# KiCad board Ethernet controller W5500 board_panel.kicad_pcb (continued)
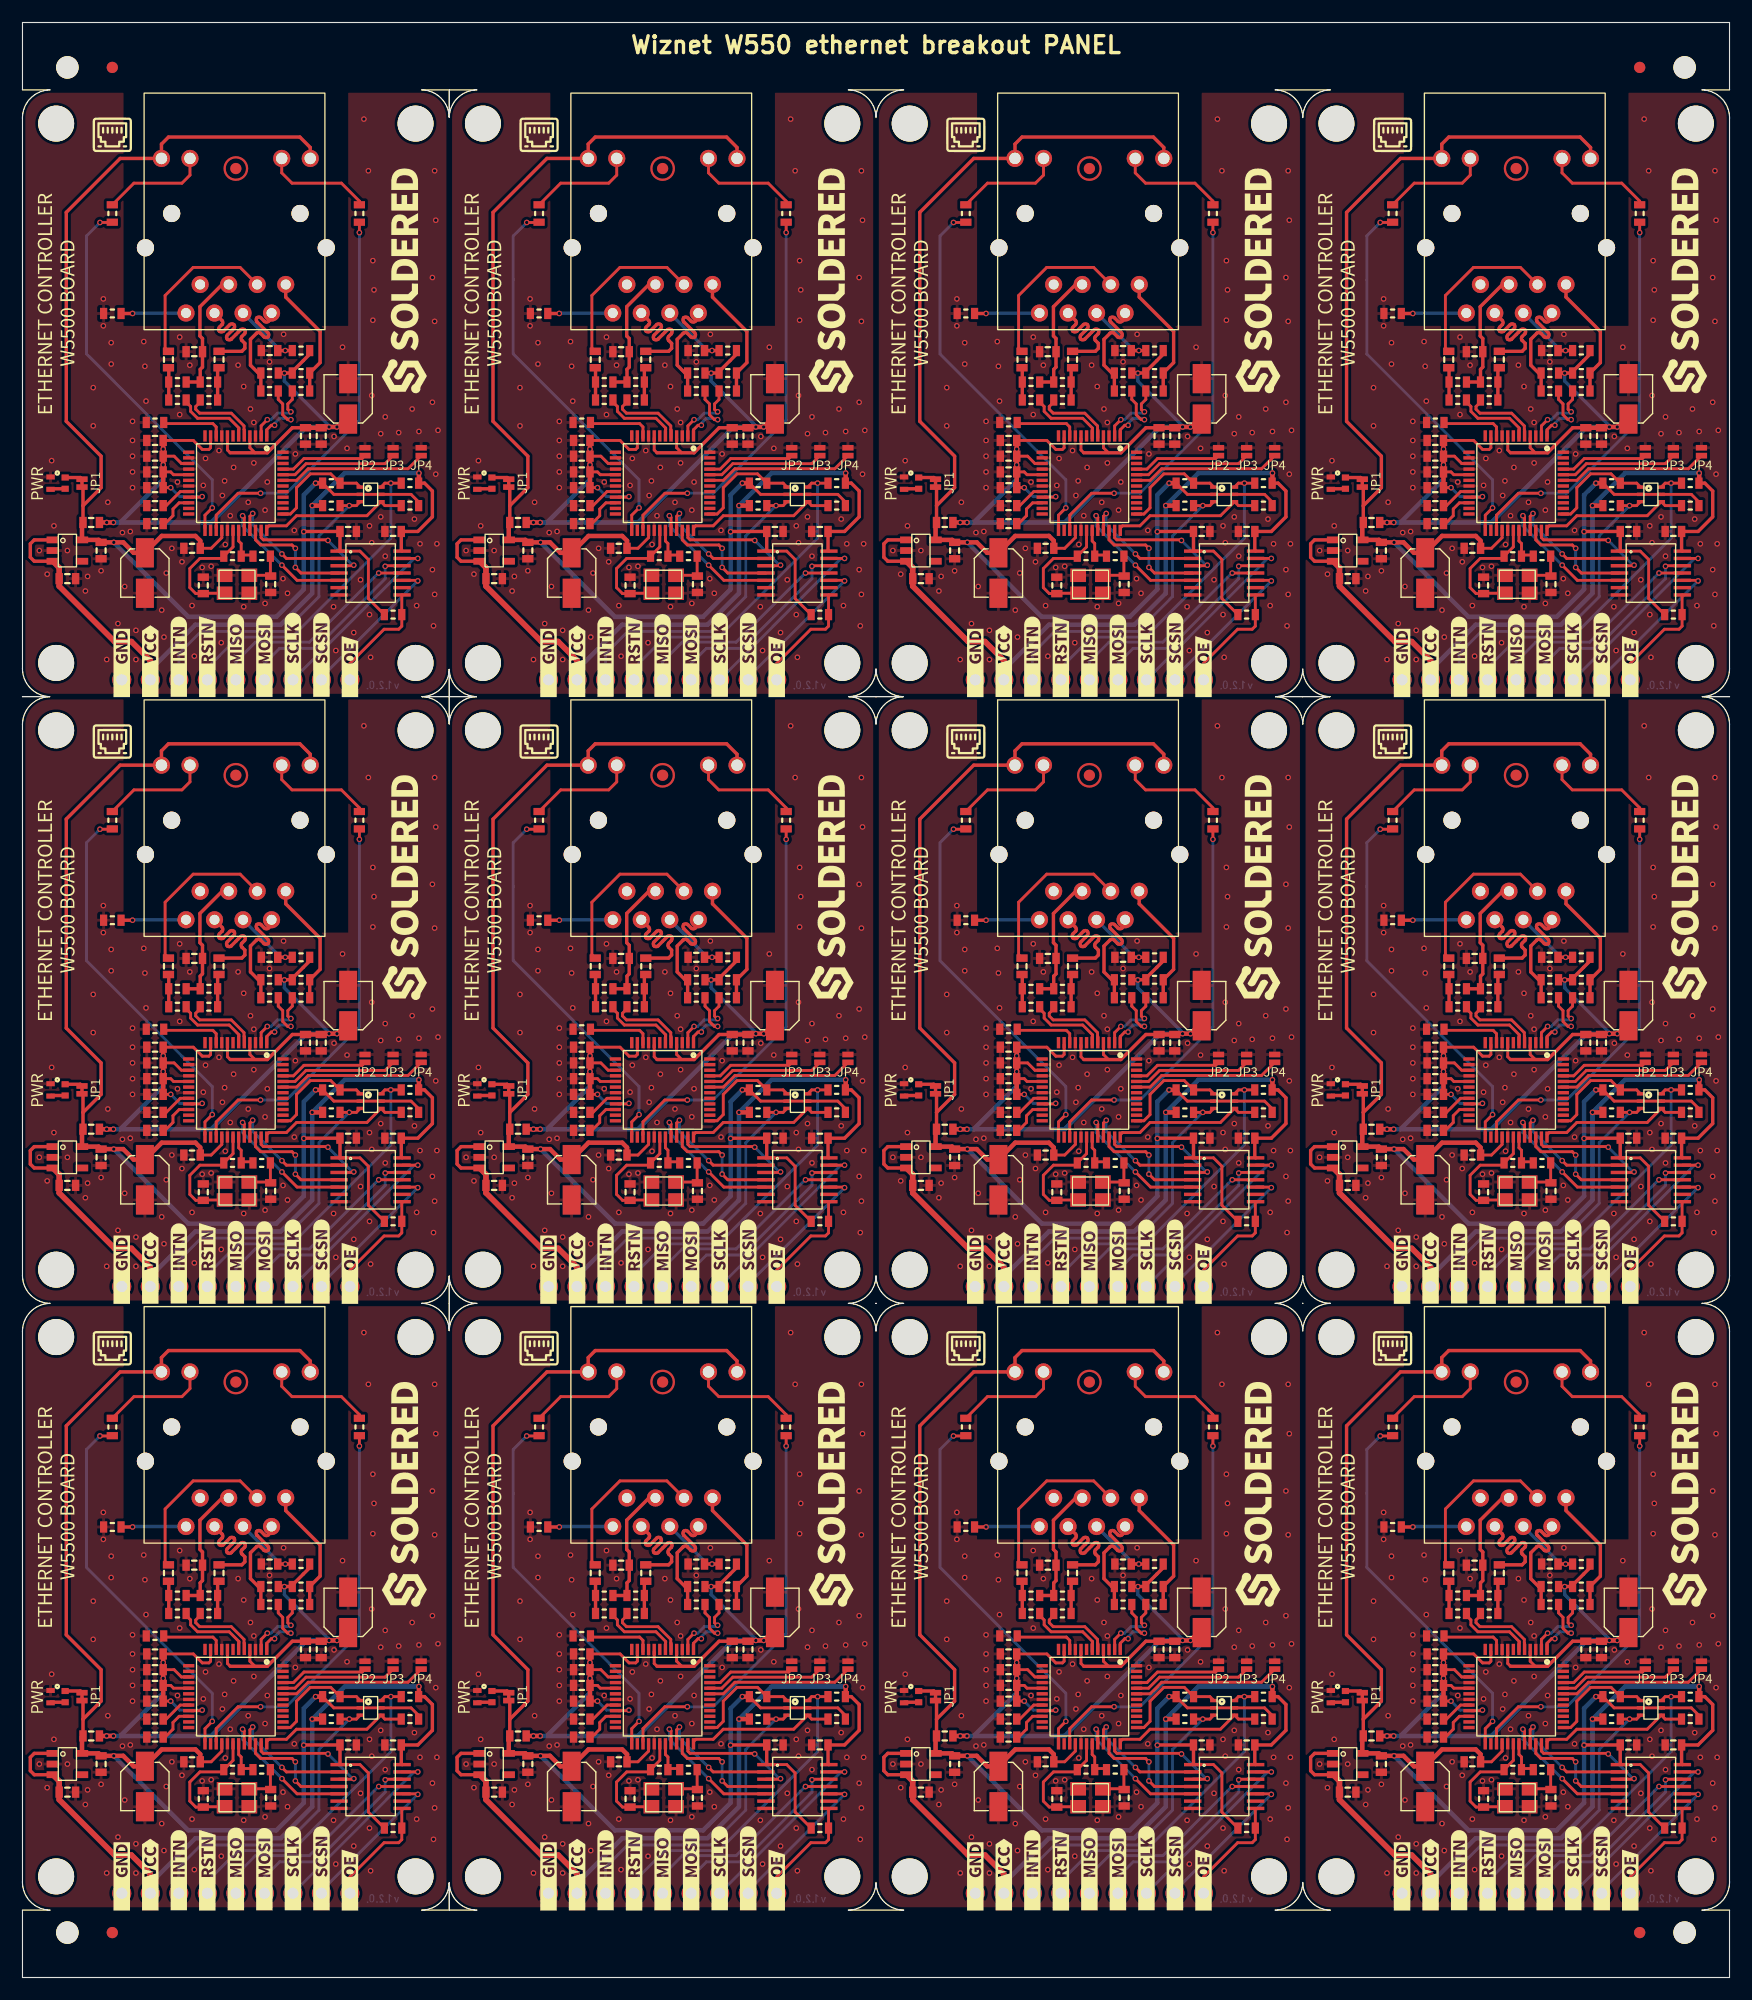
[diagram p0: board, top side]
## Routing (per net, layer and track width the routed paths; a pad name or vN(x,y) marks a point on that pad's centre or on a via; arc(x,y) is an arc through that point) (continued)
Board_4-3V3_A: length 77.8
  Top w0.254: 20.7,81.7 20.25,82.15 20.25,83 ; 15,80.75 14.15,80.75 13.5,81.4 C5#3.2 ; C6#7.2 13.2,80 13.45,79.75 15,79.75 ; 18.25,83 18.25,81.95 18.5,81.7 ; v1(13.2,78.6) C8#7.2 ; v1(16,77.8) 15.95,77.75 15,77.75 ; C4#4.2 15.21,82.8 16.01,82 16.6,82 16.75,82.15 16.75,83
  Top w0.3: 18.5,81.7 21.8,81.7 24.03,83.93 C2#4.2 ; R10#5.2 25.58,90.48 24.03,88.93 R8#9.2 R6#5.2
  Top w0.4: FB1#5.2 v1(7.5,75.5) v1(8.1,75.5) ; 28.7,84.7 v1(28,84) v1(27.3,84) 26.67,84 C3#10.2 C2#4.2 ; C4#4.2 v1(12.53,82.03) v1(12.53,80.63) C8#7.2
  Bottom w0.254: v1(16,77.8) 14,77.8 v1(13.2,78.6)
  Bottom w0.3: v1(27.3,84) 27.3,84.1 23.32,88.08 v1(23.32,88.79)
  Bottom w0.4: 8.7,75.5 12.53,79.33 v1(12.53,80.63) v1(12.53,82.03) ; 8.7,75.5 v1(8.1,75.5) v1(7.5,75.5) ; 8.7,75.5 16.8,75.5 25.3,84 v1(28,84)
Board_4-/RXN: length 11.6
  Top w0.3: C9#2.1 19.53,90.73 19.8,91 19.8,91.44 19.54,91.7 arc(19.47,91.88) 19.54,92.06 19.78,92.29 arc(19.85,92.47) 19.78,92.65 arc(19.6,92.72) 19.42,92.65 18.59,91.82 arc(18.42,91.74) 18.24,91.82 arc(18.17,91.99) 18.24,92.17 18.83,92.76 arc(18.9,92.93) 18.83,93.1 18.82,93.11 arc(18.65,93.18) 18.47,93.11 17.89,92.52 arc(17.71,92.45) 17.53,92.52 arc(17.46,92.7) 17.53,92.88 17.77,93.12 arc(17.84,93.29) 17.77,93.47 K1.6
Board_4-/RXP: length 15
  Top w0.254: C10#4.1 12.7,91.03 12.7,95.7 15.2,98.2 19.38,98.2 K1.3
Board_4-/TXN: length 11.4
  Top w0.3: R1#8.2 R6#5.1 21,88.8 20.3,89.5 20.3,91.8 20.84,92.34 arc(21.02,92.41) 21.19,92.34 21.51,92.02 arc(21.69,91.95) 21.86,92.02 arc(21.94,92.2) 21.86,92.38 20.88,93.36 arc(20.81,93.54) 20.88,93.71 arc(21.06,93.79) 21.23,93.71 21.55,93.4 arc(21.72,93.33) 21.9,93.4 22.18,93.68 K1.2
Board_4-/TXP: length 11.1
  Top w0.3: R2#12.2 R8#9.1 26.5,89.73 26.5,92.5 23.44,95.56 K1.1
Board_4-ACTLED: length 35
  Top w0.254: v1(21.2,78.1) 19.2,78.1 17.25,76.15 17.25,75 ; v1(30,101.3) R12#9.2
  Bottom w0.254: v1(30,101.3) 30,84.6 23.5,78.1 v1(21.2,78.1)
Board_4-CGND: length 5.8
  Top w0.3: v1(9.8,94.1) R16#7.2
  Bottom w0.3: K1.8 9.84,94.14 v1(9.8,94.1)
Board_4-GND:
  vias: v1(1.5,73) v1(2.2,70.9) v1(2.6,81) v1(2.8,75.2) v1(4,73) v1(5.6,69.4) v1(5.8,70.7) v1(6.3,87.5) v1(6.3,84.1) v1(7,71.2) v1(7.2,95.4) v1(7.2,93) v1(7.5,63.3) v1(7.6,77.3) v1(7.9,91.5) v1(7.9,89.6) v1(8.5,66.5) v1(8.9,74.6) v1(9.1,69.8) v1(9.6,74.7) v1(9.8,84.5) v1(9.8,82.8) v1(9.8,81.4) v1(9.8,80) v1(9.8,78.6) v1(10.1,65.9) v1(10.1,63.3) v1(10.8,91.6) v1(10.9,89.4) v1(11,86.3) v1(12.4,67.7) v1(12.6,65.3) v1(12.8,71) v1(13.3,73.2) v1(13.8,79.1) v1(14,92) v1(14,85.1) v1(14.2,72) v1(14.9,89.5) v1(15.1,68.1) v1(15.3,63.6) v1(16,71.5) v1(16.1,78.8) v1(16.3,81.2) v1(16.8,71.6) v1(17.5,81.9) v1(17.7,64.8) v1(17.8,77.9) v1(18,79.2) v1(18.06,73.54) v1(18.5,76.1) v1(18.8,80.4) v1(19.2,89.5) v1(19.7,87.6) v1(19.7,68) v1(20.1,77.3) v1(20.3,85.6) v1(20.6,84.4) v1(20.6,80.8) v1(21.6,76.6) v1(21.6,68.3) v1(21.8,79.1) v1(22,89.8) v1(23.25,92.25) v1(23.2,70.5) v1(23.6,69.2) v1(24.2,74.8) v1(24.3,81.6) v1(27.74,83.16) v1(27.7,68) v1(27.9,64.1) v1(28.5,91.1) v1(28.9,82.1) v1(29.5,65.7) v1(30.1,70.4) v1(30.4,111.4) v1(30.8,106.8) v1(30.9,75.2) v1(30.9,67.3) v1(31,63.5) v1(31.1,86.8) v1(31.1,73.7) v1(31.2,98.8) v1(31.2,93.5) v1(31.3,96.2) v1(31.9,83.4) v1(31.9,76) v1(32.3,84.9) v1(32.3,72.5) v1(33.5,83.5) v1(34.7,85.6) v1(34.9,75.8) v1(35.1,68.1) v1(35.3,83.6) v1(35.4,73.6) v1(36.5,97.3) v1(36.5,86.2) v1(36.5,71.3) v1(36.6,66.3) v1(36.7,106.8) v1(36.7,93.4) v1(36.7,69.1) v1(36.8,102.4) v1(36.8,79.8) v1(36.9,73.6) v1(37,83.7)
Board_4-INTn_H: length 28.1
  Top w0.254: R22#11.2 v1(29.1,77) 29.73,77 U5#5.3
  Bottom w0.254: K2#7.3 13.92,63.82 15.9,65.8 23.3,65.8 26.4,68.9 26.4,74.3 v1(29.1,77)
Board_4-INTn_L: length 13.1
  Top w0.254: 21.75,75 21.95,75.2 23.5,75.2 24.4,76.1 30.67,76.1 U5#5.4 32.27,77 R28#5.2
Board_4-LINKLED: length 33.7
  Top w0.254: v1(6.9,102.2) 7.98,102.2 R11#3.2 ; v1(16.9,76.8) 16.25,76.15 16.25,75
  Bottom w0.254: v1(6.9,102.2) 5.7,101 5.7,90.5 16.9,79.3 v1(16.9,76.8)
Board_4-MISO_H: length 19.7
  Top w0.254: v1(31.72,71) U3#12.11
  Bottom w0.254: K2#7.5 19,63.1 20.75,64.85 25.55,64.85 31.7,71 v1(31.72,71)
Board_4-MISO_L: length 10.7
  Top w0.254: U3#12.4 24.8,71 v1(24.3,71.5) ; 20.75,75 20.75,73.95 21.2,73.5 24,73.5 v1(24.3,73.2)
  Bottom w0.254: v1(24.3,71.5) v1(24.3,73.2)
Board_4-MOSI_H: length 18
  Top w0.254: v1(32.3,71.6) 32.35,71.65 U3#12.12
  Bottom w0.254: K2#7.6 21.54,62.94 22.9,64.3 26.1,64.3 32.3,70.5 v1(32.3,71.6)
Board_4-MOSI_L: length 11.4
  Top w0.254: U3#12.3 29.45,71.65 v1(29.5,71.7) ; v1(27.2,73.9) 27.15,73.95 21.45,73.95 21.25,74.15 21.25,75
  Bottom w0.254: v1(29.5,71.7) 29.4,71.7 v1(27.2,73.9)
Board_4-Net-(C7-Pad2): length 11.5
  Top w0.3: R7#5.1 R9#2.1 15.83,89.13 16.03,89.33 C7#4.2 16.03,91.87 15.8,92.1 15.8,94.7 17.78,96.68 K1.5
Board_4-Net-(C9-Pad2): length 2.9
  Top w0.3: C9#2.2 17.38,89.15 R9#2.2 R3#10.2
Board_4-Net-(C10-Pad2): length 2.9
  Top w0.3: R4#7.2 R7#5.2 13.03,89.25 C10#4.2
Board_4-Net-(C11-Pad2): length 6.4
  Top w0.3: C11#7.2 v1(23.4,90.8) R10#5.1
  Bottom w0.3: K1.4 22.98,90.8 v1(23.4,90.8)
Board_4-Net-(C12-Pad2): length 3
  Top w0.254: C12#7.2 12.8,77 14.05,78.25 15,78.25
Board_4-Net-(C13-Pad2): length 3.4
  Top w0.254: U1#4.22 13.95,77.25 13.4,76.7 13.4,76.1 12.7,75.4 C13#5.2
Board_4-Net-(C16-Pad2): length 11.4
  Top w0.254: 18.75,75 18.75,73.33 17.73,72.3 15.8,72.3 14.9,71.4 14.9,69.7 15.43,69.17 C16#10.2 16.13,69.2 X1#3.1
Board_4-Net-(C17-Pad2): length 3.8
  Top w0.254: X1#3.3 22.03,70.8 C17#12.2 22.08,70.76 22.08,72.6
Board_4-Net-(D1-Pad1): length 1.3
  Top w0.3: D1#2.1 2.55,78.5 R13#3.2
Board_4-Net-(JP1-Pad2): length 1.6
  Top w0.3: R13#3.1 5.15,79.5 JP1#8.2
Board_4-Net-(K1-Pad10): length 9.6
  Top w0.254: R12#9.1 30,104.1 28.4,105.7 24,105.7 23.09,106.62 K1.10
Board_4-Net-(K1-Pad11): length 9.5
  Top w0.254: R11#3.1 9.93,105.7 14.2,105.7 14.92,106.42 K1.11
Board_4-Net-(R5-Pad2): length 5.8
  Top w0.254: R5#2.2 12.68,84.3 16.95,84.3 17.25,84 17.25,83
Board_4-Net-(R14-Pad2): length 3.5
  Top w0.254: 20.53,72.6 19.48,72.6 19.48,73.63 19.25,73.85 19.25,75
Board_4-OE: length 10.2
  Top w0.254: K2#7.9 29.16,62.96 32.2,66 33.5,66 33.78,66.28 R17#11.2 33.78,69.03 U3#12.8
Board_4-PMODE0: length 8
  Top w0.254: 23,80.25 24.13,80.25 25.06,81.19 30.24,81.19 JP2#12.2
Board_4-PMODE1: length 10.7
  Top w0.254: 23,79.75 24.27,79.75 25.25,80.73 32.28,80.73 JP3#3.2
Board_4-PMODE2: length 13.4
  Top w0.254: JP4#9.2 34.33,80.28 25.44,80.28 24.41,79.25 23,79.25
Board_4-RSTn_H: length 29
  Top w0.254: U5#5.6 32.27,79 v1(32.8,79) R27#11.1
  Bottom w0.254: v1(32.8,79) 32.8,74.1 24,65.3 19.2,65.3 16.46,62.56 K2#7.4
Board_4-RSTn_L: length 10.1
  Top w0.254: U5#5.1 29.73,79 R21#5.1 27.45,79.83 25.63,79.83 24.4,78.6 24.4,76.8 23.85,76.25 23,76.25
Board_4-RX+: length 7
  Top w0.254: 19.25,83 19.25,83.75 19.27,83.77 19.27,83.91 18.41,84.77 15.59,84.77 14.97,85.39 14.97,85.82 14.58,86.22 R4#7.1
Board_4-RX-: length 7
  Top w0.254: R3#10.1 15.83,86.22 15.43,85.82 15.43,85.58 15.78,85.23 18.6,85.23 19.73,84.09 19.73,83.77 19.75,83.75 19.75,83
Board_4-SCLK_H: length 17
  Top w0.254: v1(35.2,72.3) U3#12.13
  Bottom w0.254: v1(35.2,72.3) 34.88,72.3 K2#7.7
Board_4-SCLK_L: length 11.3
  Top w0.254: U3#12.2 23.5,72.3 v1(23.1,72.7) ; 20.25,75 20.25,76.05 v1(20.5,76.3)
  Bottom w0.254: v1(20.5,76.3) 20.5,75.3 v1(23.1,72.7)
Board_4-SCSn_H: length 13.8
  Top w0.254: U3#12.10 35.15,70.35 v1(35.2,70.3)
  Bottom w0.254: K2#7.8 26.62,61.72 v1(35.2,70.3)
Board_4-SCSn_L: length 12.7
  Top w0.254: U3#12.5 24.45,70.35 v1(23.1,71.7) ; 19.75,75 19.75,75.95 v1(19.6,76.1)
  Bottom w0.254: v1(19.6,76.1) 19.6,75.2 v1(23.1,71.7)
Board_4-TX+: length 6.4
  Top w0.254: 21.25,83 21.25,84.1 v1(21.8,84.65) ; R2#12.1 24.03,86.45 23.63,86.05 23.63,85.57 23.84,85.35 v1(23.9,85.35)
  Bottom w0.254: v1(21.8,84.65) 22.13,84.65 22.71,85.23 23.78,85.23 v1(23.9,85.35)
Board_4-TX-: length 6.7
  Top w0.254: v1(22.45,84.15) 22.15,84.15 21.75,83.75 21.75,83 ; R1#8.1 22.78,86.45 23.17,86.05 23.17,85.09 23.61,84.65 v1(23.9,84.65)
  Bottom w0.254: v1(22.45,84.15) 22.45,84.33 22.9,84.77 23.78,84.77 v1(23.9,84.65)
Board_4-VCC: length 67.9
  Top w0.3: U2#11.3 1.05,72.05 0.7,72.4 0.7,73.6 1.05,73.95 U2#11.1 ; R27#11.2 35.8,79 36.5,78.3 36.5,76 35.2,74.7 C21#3.1 33.73,73.02 U3#12.14
  Top w0.4: R22#11.1 v1(25.8,77) ; v1(35.3,79.9) 35.3,79.03 R27#11.2
  Top w0.5: U2#11.3 3.27,71.48 C18.2 3.27,69.83 8.2,64.9 9.7,64.9 11.38,63.22 K2#7.2
  Bottom w0.4: K2#7.2 11.38,62.38 15.4,66.4 23,66.4 25.8,69.2 25.8,76.93 25.77,76.96 v1(25.8,77) 28.7,79.9 v1(35.3,79.9)
Board_5-3V3: length 129.2
  Top w0.254: C14.2 54.8,73.2 55.75,74.15 55.75,75 ; U3#4.1 68.05,72.95 68.8,72.2 68.8,68.73 R17#2.1 ; R21.2 65.73,78 U5#2.2 U5#2.5 72.6,78 73.28,77.33 R28#12.1
  Top w0.3: 43.39,76.99 FB1#2.1 ; 43.39,76.99 45,78.6 45,81.4 41.9,84.5 41.9,103.1 46.7,107.9 K1#12.12 50.38,109.18 51,109.8 62.7,109.8 63.63,108.88 K1#12.9 ; 43.39,76.99 43.39,78.56 JP1#9.1 ; U3#4.1 66.27,73.02 C20#8.2 63.07,74.7 v1(63.05,74.68)
  Top w0.4: C14.2 53.83,73.87 53.4,74.3 50.4,74.3 C15#10.1 47.9,72.8 46.97,73.73 C19#8.2 44.78,73.95 U2#9.5 43.3,75.41 FB1#2.1 ; v1(64.1,79) R21.2
  Bottom w0.4: v1(64.1,79) 63.05,77.95 v1(63.05,74.68) 63.05,69.55 60.6,67.1 52.76,67.1 v1(46.13,73.73)
Board_5-3V3_A: length 77.8
  Top w0.254: 53,79.75 51.45,79.75 51.2,80 C6#12.2 ; 53,77.75 53.95,77.75 v1(54,77.8) ; v1(51.2,78.6) C8#4.2 ; C4#5.2 53.21,82.8 54.01,82 54.6,82 54.75,82.15 54.75,83 ; 58.7,81.7 58.25,82.15 58.25,83 ; C5#8.2 51.5,81.4 52.15,80.75 53,80.75 ; 56.5,81.7 56.25,81.95 56.25,83
  Top w0.3: R6#6.2 R8.2 62.03,88.93 63.58,90.48 R10#4.2 ; C2.2 62.03,83.93 59.8,81.7 56.5,81.7
  Top w0.4: v1(46.1,75.5) v1(45.5,75.5) FB1#2.2 ; C4#5.2 v1(50.53,82.03) v1(50.53,80.63) C8#4.2 ; C2.2 C3#7.2 64.67,84 v1(65.3,84) v1(66,84) 66.7,84.7
  Bottom w0.254: v1(51.2,78.6) 52,77.8 v1(54,77.8)
  Bottom w0.3: v1(65.3,84) 65.3,84.1 61.32,88.08 v1(61.32,88.79)
  Bottom w0.4: 46.7,75.5 v1(46.1,75.5) v1(45.5,75.5) ; 46.7,75.5 54.8,75.5 63.3,84 v1(66,84) ; 46.7,75.5 50.53,79.33 v1(50.53,80.63) v1(50.53,82.03)
Board_5-/RXN: length 11.6
  Top w0.3: C9#5.1 57.53,90.73 57.8,91 57.8,91.44 57.54,91.7 arc(57.47,91.88) 57.54,92.06 57.78,92.29 arc(57.85,92.47) 57.78,92.65 arc(57.6,92.72) 57.42,92.65 56.59,91.82 arc(56.42,91.74) 56.24,91.82 arc(56.17,91.99) 56.24,92.17 56.83,92.76 arc(56.9,92.93) 56.83,93.1 56.82,93.11 arc(56.65,93.18) 56.47,93.11 55.89,92.52 arc(55.71,92.45) 55.53,92.52 arc(55.46,92.7) 55.53,92.88 55.77,93.12 arc(55.84,93.29) 55.77,93.47 K1#12.6
Board_5-/RXP: length 15
  Top w0.254: C10#9.1 50.7,91.03 50.7,95.7 53.2,98.2 57.38,98.2 K1#12.3
Board_5-/TXN: length 11.4
  Top w0.3: K1#12.2 60.18,93.68 59.9,93.4 arc(59.72,93.33) 59.55,93.4 59.23,93.71 arc(59.06,93.79) 58.88,93.71 arc(58.81,93.54) 58.88,93.36 59.86,92.38 arc(59.94,92.2) 59.86,92.02 arc(59.69,91.95) 59.51,92.02 59.19,92.34 arc(59.02,92.41) 58.84,92.34 58.3,91.8 58.3,89.5 59,88.8 R6#6.1 R1#10.2
Board_5-/TXP: length 11.1
  Top w0.3: K1#12.1 61.44,95.56 64.5,92.5 64.5,89.73 R8.1 R2#6.2
Board_5-ACTLED: length 35
  Top w0.254: v1(59.2,78.1) 57.2,78.1 55.25,76.15 55.25,75 ; v1(68,101.3) R12#11.2
  Bottom w0.254: v1(59.2,78.1) 61.5,78.1 68,84.6 v1(68,101.3)
Board_5-CGND: length 5.8
  Top w0.3: v1(47.8,94.1) R16#10.2
  Bottom w0.3: K1#12.8 47.84,94.14 v1(47.8,94.1)
Board_5-GND:
  vias: v1(39.5,73) v1(40.2,70.9) v1(40.6,81) v1(40.8,75.2) v1(42,73) v1(43.6,69.4) v1(43.8,70.7) v1(44.3,87.5) v1(44.3,84.1) v1(45,71.2) v1(45.2,95.4) v1(45.2,93) v1(45.5,63.3) v1(45.6,77.3) v1(45.9,91.5) v1(45.9,89.6) v1(46.5,66.5) v1(46.9,74.6) v1(47.1,69.8) v1(47.6,74.7) v1(47.8,84.5) v1(47.8,82.8) v1(47.8,81.4) v1(47.8,80) v1(47.8,78.6) v1(48.1,65.9) v1(48.1,63.3) v1(48.8,91.6) v1(48.9,89.4) v1(49,86.3) v1(50.4,67.7) v1(50.6,65.3) v1(50.8,71) v1(51.3,73.2) v1(51.8,79.1) v1(52,92) v1(52,85.1) v1(52.2,72) v1(52.9,89.5) v1(53.1,68.1) v1(53.3,63.6) v1(54,71.5) v1(54.1,78.8) v1(54.3,81.2) v1(54.8,71.6) v1(55.5,81.9) v1(55.7,64.8) v1(55.8,77.9) v1(56,79.2) v1(56.06,73.54) v1(56.5,76.1) v1(56.8,80.4) v1(57.2,89.5) v1(57.7,87.6) v1(57.7,68) v1(58.1,77.3) v1(58.3,85.6) v1(58.6,84.4) v1(58.6,80.8) v1(59.6,76.6) v1(59.6,68.3) v1(59.8,79.1) v1(60,89.8) v1(61.2,70.5) v1(61.25,92.25) v1(61.6,69.2) v1(62.2,74.8) v1(62.3,81.6) v1(65.74,83.16) v1(65.7,68) v1(65.9,64.1) v1(66.5,91.1) v1(66.9,82.1) v1(67.5,65.7) v1(68.1,70.4) v1(68.4,111.4) v1(68.8,106.8) v1(68.9,75.2) v1(68.9,67.3) v1(69,63.5) v1(69.1,86.8) v1(69.1,73.7) v1(69.2,98.8) v1(69.2,93.5) v1(69.3,96.2) v1(69.9,83.4) v1(69.9,76) v1(70.3,84.9) v1(70.3,72.5) v1(71.5,83.5) v1(72.7,85.6) v1(72.9,75.8) v1(73.1,68.1) v1(73.3,83.6) v1(73.4,73.6) v1(74.5,97.3) v1(74.5,86.2) v1(74.5,71.3) v1(74.6,66.3) v1(74.7,106.8) v1(74.7,93.4) v1(74.7,69.1) v1(74.8,102.4) v1(74.8,79.8) v1(74.9,73.6) v1(75,83.7)
Board_5-INTn_H: length 28.1
  Top w0.254: U5#2.3 67.73,77 v1(67.1,77) R22#7.2
  Bottom w0.254: v1(67.1,77) 64.4,74.3 64.4,68.9 61.3,65.8 53.9,65.8 51.92,63.82 K2#6.3
Board_5-INTn_L: length 13.1
  Top w0.254: R28#12.2 70.27,77 U5#2.4 68.67,76.1 62.4,76.1 61.5,75.2 59.95,75.2 59.75,75
Board_5-LINKLED: length 33.7
  Top w0.254: R11#5.2 45.98,102.2 v1(44.9,102.2) ; v1(54.9,76.8) 54.25,76.15 54.25,75
  Bottom w0.254: v1(44.9,102.2) 43.7,101 43.7,90.5 54.9,79.3 v1(54.9,76.8)
Board_5-MISO_H: length 19.7
  Top w0.254: v1(69.72,71) U3#4.11
  Bottom w0.254: K2#6.5 57,63.1 58.75,64.85 63.55,64.85 69.7,71 v1(69.72,71)
Board_5-MISO_L: length 10.7
  Top w0.254: v1(62.3,73.2) 62,73.5 59.2,73.5 58.75,73.95 58.75,75 ; v1(62.3,71.5) 62.8,71 U3#4.4
  Bottom w0.254: v1(62.3,71.5) v1(62.3,73.2)
Board_5-MOSI_H: length 18
  Top w0.254: v1(70.3,71.6) 70.35,71.65 U3#4.12
  Bottom w0.254: K2#6.6 59.54,62.94 60.9,64.3 64.1,64.3 70.3,70.5 v1(70.3,71.6)
Board_5-MOSI_L: length 11.4
  Top w0.254: v1(65.2,73.9) 65.15,73.95 59.45,73.95 59.25,74.15 59.25,75 ; U3#4.3 67.45,71.65 v1(67.5,71.7)
  Bottom w0.254: v1(65.2,73.9) 67.4,71.7 v1(67.5,71.7)
Board_5-Net-(C7-Pad2): length 11.5
  Top w0.3: R7#9.1 R9#7.1 53.83,89.13 54.03,89.33 C7#10.2 54.03,91.87 53.8,92.1 53.8,94.7 55.78,96.68 K1#12.5
Board_5-Net-(C9-Pad2): length 2.9
  Top w0.3: R3#2.2 R9#7.2 55.38,89.15 C9#5.2
Board_5-Net-(C10-Pad2): length 2.9
  Top w0.3: R4#10.2 R7#9.2 51.03,89.25 C10#9.2
Board_5-Net-(C11-Pad2): length 6.4
  Top w0.3: C11#3.2 v1(61.4,90.8) R10#4.1
  Bottom w0.3: v1(61.4,90.8) 60.98,90.8 K1#12.4
Board_5-Net-(C12-Pad2): length 3
  Top w0.254: C12#3.2 50.8,77 52.05,78.25 53,78.25
Board_5-Net-(C13-Pad2): length 3.4
  Top w0.254: U1.22 51.95,77.25 51.4,76.7 51.4,76.1 50.7,75.4 C13#11.2
Board_5-Net-(C16-Pad2): length 11.4
  Top w0.254: X1.1 54.13,69.2 C16#3.2 53.43,69.17 52.9,69.7 52.9,71.4 53.8,72.3 55.73,72.3 56.75,73.33 56.75,75
Board_5-Net-(C17-Pad2): length 3.8
  Top w0.254: 60.08,72.6 60.08,70.76 C17#4.2 60.03,70.8 X1.3
Board_5-Net-(D1-Pad1): length 1.3
  Top w0.3: D1#5.1 40.55,78.5 R13#9.2
Board_5-Net-(JP1-Pad2): length 1.6
  Top w0.3: R13#9.1 43.15,79.5 JP1#9.2
Board_5-Net-(K1-Pad10): length 9.6
  Top w0.254: R12#11.1 68,104.1 66.4,105.7 62,105.7 61.09,106.62 K1#12.10
Board_5-Net-(K1-Pad11): length 9.5
  Top w0.254: K1#12.11 52.92,106.42 52.2,105.7 47.93,105.7 R11#5.1
Board_5-Net-(R5-Pad2): length 5.8
  Top w0.254: 55.25,83 55.25,84 54.95,84.3 50.68,84.3 R5#11.2
Board_5-Net-(R14-Pad2): length 3.5
  Top w0.254: 57.25,75 57.25,73.85 57.48,73.63 57.48,72.6 58.53,72.6
Board_5-OE: length 10.2
  Top w0.254: K2#6.9 67.16,62.96 70.2,66 71.5,66 71.78,66.28 R17#2.2 71.78,69.03 U3#4.8
Board_5-PMODE0: length 8
  Top w0.254: JP2#11.2 68.24,81.19 63.06,81.19 62.13,80.25 61,80.25
Board_5-PMODE1: length 10.7
  Top w0.254: JP3#2.2 70.28,80.73 63.25,80.73 62.27,79.75 61,79.75
Board_5-PMODE2: length 13.4
  Top w0.254: JP4#5.2 72.33,80.28 63.44,80.28 62.41,79.25 61,79.25
Board_5-RSTn_H: length 29
  Top w0.254: R27.1 v1(70.8,79) 70.27,79 U5#2.6
  Bottom w0.254: K2#6.4 54.46,62.56 57.2,65.3 62,65.3 70.8,74.1 v1(70.8,79)
Board_5-RSTn_L: length 10.1
  Top w0.254: 61,76.25 61.85,76.25 62.4,76.8 62.4,78.6 63.63,79.83 65.45,79.83 R21.1 67.73,79 U5#2.1
Board_5-RX+: length 7
  Top w0.254: R4#10.1 52.58,86.22 52.97,85.82 52.97,85.39 53.59,84.77 56.41,84.77 57.27,83.91 57.27,83.77 57.25,83.75 57.25,83
Board_5-RX-: length 7
  Top w0.254: R3#2.1 53.83,86.22 53.43,85.82 53.43,85.58 53.78,85.23 56.6,85.23 57.73,84.09 57.73,83.77 57.75,83.75 57.75,83
Board_5-SCLK_H: length 17
  Top w0.254: v1(73.2,72.3) U3#4.13
  Bottom w0.254: v1(73.2,72.3) 72.88,72.3 K2#6.7
Board_5-SCLK_L: length 11.3
  Top w0.254: U3#4.2 61.5,72.3 v1(61.1,72.7) ; v1(58.5,76.3) 58.25,76.05 58.25,75
  Bottom w0.254: v1(58.5,76.3) 58.5,75.3 v1(61.1,72.7)
Board_5-SCSn_H: length 13.8
  Top w0.254: U3#4.10 73.15,70.35 v1(73.2,70.3)
  Bottom w0.254: K2#6.8 64.62,61.72 v1(73.2,70.3)
Board_5-SCSn_L: length 12.7
  Top w0.254: v1(57.6,76.1) 57.75,75.95 57.75,75 ; v1(61.1,71.7) 62.45,70.35 U3#4.5
  Bottom w0.254: v1(61.1,71.7) 57.6,75.2 v1(57.6,76.1)
Board_5-TX+: length 6.4
  Top w0.254: 59.25,83 59.25,84.1 v1(59.8,84.65) ; R2#6.1 62.03,86.45 61.63,86.05 61.63,85.57 61.84,85.35 v1(61.9,85.35)
  Bottom w0.254: v1(61.9,85.35) 61.78,85.23 60.71,85.23 60.13,84.65 v1(59.8,84.65)
Board_5-TX-: length 6.7
  Top w0.254: R1#10.1 60.78,86.45 61.17,86.05 61.17,85.09 61.61,84.65 v1(61.9,84.65) ; v1(60.45,84.15) 60.15,84.15 59.75,83.75 59.75,83
  Bottom w0.254: v1(61.9,84.65) 61.78,84.77 60.9,84.77 60.45,84.33 v1(60.45,84.15)
Board_5-VCC: length 67.9
  Top w0.3: U3#4.14 71.73,73.02 C21#4.1 73.2,74.7 74.5,76 74.5,78.3 73.8,79 R27.2 ; U2#9.3 39.05,72.05 38.7,72.4 38.7,73.6 39.05,73.95 U2#9.1
  Top w0.4: R27.2 73.3,79.03 v1(73.3,79.9) ; R22#7.1 v1(63.8,77)
  Top w0.5: U2#9.3 41.27,71.48 C18#10.2 41.27,69.83 46.2,64.9 47.7,64.9 49.38,63.22 K2#6.2
  Bottom w0.4: K2#6.2 49.38,62.38 53.4,66.4 61,66.4 63.8,69.2 63.8,76.93 63.77,76.96 v1(63.8,77) 66.7,79.9 v1(73.3,79.9)
Board_6-3V3: length 129.2
  Top w0.254: R17#8.1 106.8,68.73 106.8,72.2 106.05,72.95 U3#3.1 ; 93.75,75 93.75,74.15 92.8,73.2 C14#7.2 ; R28#11.1 111.28,77.33 110.6,78 U5#10.5 U5#10.2 103.73,78 R21#6.2
  Top w0.3: 81.39,76.99 83,78.6 83,81.4 79.9,84.5 79.9,103.1 84.7,107.9 K1#6.12 88.38,109.18 89,109.8 100.7,109.8 101.63,108.88 K1#6.9 ; 81.39,76.99 FB1#11.1 ; 81.39,76.99 81.39,78.56 JP1#2.1 ; U3#3.1 104.27,73.02 C20#10.2 101.07,74.7 v1(101.05,74.68)
  Top w0.4: C14#7.2 91.83,73.87 91.4,74.3 88.4,74.3 C15#8.1 85.9,72.8 84.97,73.73 C19#9.2 82.78,73.95 U2#12.5 81.3,75.41 FB1#11.1 ; v1(102.1,79) R21#6.2
  Bottom w0.4: v1(102.1,79) 101.05,77.95 v1(101.05,74.68) 101.05,69.55 98.6,67.1 90.76,67.1 v1(84.13,73.73)
Board_6-3V3_A: length 77.8
  Top w0.254: C6#2.2 89.2,80 89.45,79.75 91,79.75 ; 91,77.75 91.95,77.75 v1(92,77.8) ; C4.2 91.21,82.8 92.01,82 92.6,82 92.75,82.15 92.75,83 ; 96.25,83 96.25,82.15 96.7,81.7 ; 94.25,83 94.25,81.95 94.5,81.7 ; C5.2 89.5,81.4 90.15,80.75 91,80.75 ; v1(89.2,78.6) C8#6.2
  Top w0.3: 94.5,81.7 97.8,81.7 100.03,83.93 C2#9.2 ; R6#9.2 R8#5.2 100.03,88.93 101.58,90.48 R10#8.2
  Top w0.4: FB1#11.2 v1(83.5,75.5) v1(84.1,75.5) ; C2#9.2 C3#2.2 102.67,84 v1(103.3,84) v1(104,84) 104.7,84.7 ; C4.2 v1(88.53,82.03) v1(88.53,80.63) C8#6.2
  Bottom w0.254: v1(92,77.8) 90,77.8 v1(89.2,78.6)
  Bottom w0.3: v1(99.32,88.79) 99.32,88.08 103.3,84.1 v1(103.3,84)
  Bottom w0.4: v1(88.53,82.03) v1(88.53,80.63) 88.53,79.33 84.7,75.5 ; 84.7,75.5 92.8,75.5 101.3,84 v1(104,84) ; 84.7,75.5 v1(84.1,75.5) v1(83.5,75.5)
Board_6-/RXN: length 11.6
  Top w0.3: C9#10.1 95.53,90.73 95.8,91 95.8,91.44 95.54,91.7 arc(95.47,91.88) 95.54,92.06 95.78,92.29 arc(95.85,92.47) 95.78,92.65 arc(95.6,92.72) 95.42,92.65 94.59,91.82 arc(94.42,91.74) 94.24,91.82 arc(94.17,91.99) 94.24,92.17 94.83,92.76 arc(94.9,92.93) 94.83,93.1 94.82,93.11 arc(94.65,93.18) 94.47,93.11 93.89,92.52 arc(93.71,92.45) 93.53,92.52 arc(93.46,92.7) 93.53,92.88 93.77,93.12 arc(93.84,93.29) 93.77,93.47 K1#6.6
Board_6-/RXP: length 15
  Top w0.254: C10#10.1 88.7,91.03 88.7,95.7 91.2,98.2 95.38,98.2 K1#6.3
Board_6-/TXN: length 11.4
  Top w0.3: R1#12.2 R6#9.1 97,88.8 96.3,89.5 96.3,91.8 96.84,92.34 arc(97.02,92.41) 97.19,92.34 97.51,92.02 arc(97.69,91.95) 97.86,92.02 arc(97.94,92.2) 97.86,92.38 96.88,93.36 arc(96.81,93.54) 96.88,93.71 arc(97.06,93.79) 97.23,93.71 97.55,93.4 arc(97.72,93.33) 97.9,93.4 98.18,93.68 K1#6.2
Board_6-/TXP: length 11.1
  Top w0.3: R2#8.2 R8#5.1 102.5,89.73 102.5,92.5 99.44,95.56 K1#6.1
Board_6-ACTLED: length 35
  Top w0.254: v1(106,101.3) R12#4.2 ; 93.25,75 93.25,76.15 95.2,78.1 v1(97.2,78.1)
  Bottom w0.254: v1(106,101.3) 106,84.6 99.5,78.1 v1(97.2,78.1)
Board_6-CGND: length 5.8
  Top w0.3: v1(85.8,94.1) R16#8.2
  Bottom w0.3: v1(85.8,94.1) 85.84,94.14 K1#6.8
Board_6-GND:
  vias: v1(77.5,73) v1(78.2,70.9) v1(78.6,81) v1(78.8,75.2) v1(80,73) v1(81.6,69.4) v1(81.8,70.7) v1(82.3,87.5) v1(82.3,84.1) v1(83,71.2) v1(83.2,95.4) v1(83.2,93) v1(83.5,63.3) v1(83.6,77.3) v1(83.9,91.5) v1(83.9,89.6) v1(84.5,66.5) v1(84.9,74.6) v1(85.1,69.8) v1(85.6,74.7) v1(85.8,84.5) v1(85.8,82.8) v1(85.8,81.4) v1(85.8,80) v1(85.8,78.6) v1(86.1,65.9) v1(86.1,63.3) v1(86.8,91.6) v1(86.9,89.4) v1(87,86.3) v1(88.4,67.7) v1(88.6,65.3) v1(88.8,71) v1(89.3,73.2) v1(89.8,79.1) v1(90,92) v1(90,85.1) v1(90.2,72) v1(90.9,89.5) v1(91.1,68.1) v1(91.3,63.6) v1(92,71.5) v1(92.1,78.8) v1(92.3,81.2) v1(92.8,71.6) v1(93.5,81.9) v1(93.7,64.8) v1(93.8,77.9) v1(94,79.2) v1(94.06,73.54) v1(94.5,76.1) v1(94.8,80.4) v1(95.2,89.5) v1(95.7,87.6) v1(95.7,68) v1(96.1,77.3) v1(96.3,85.6) v1(96.6,84.4) v1(96.6,80.8) v1(97.6,76.6) v1(97.6,68.3) v1(97.8,79.1) v1(98,89.8) v1(99.2,70.5) v1(99.25,92.25) v1(99.6,69.2) v1(100.2,74.8) v1(100.3,81.6) v1(103.74,83.16) v1(103.7,68) v1(103.9,64.1) v1(104.5,91.1) v1(104.9,82.1) v1(105.5,65.7) v1(106.1,70.4) v1(106.4,111.4) v1(106.8,106.8) v1(106.9,75.2) v1(106.9,67.3) v1(107,63.5) v1(107.1,86.8) v1(107.1,73.7) v1(107.2,98.8) v1(107.2,93.5) v1(107.3,96.2) v1(107.9,83.4) v1(107.9,76) v1(108.3,84.9) v1(108.3,72.5) v1(109.5,83.5) v1(110.7,85.6) v1(110.9,75.8) v1(111.1,68.1) v1(111.3,83.6) v1(111.4,73.6) v1(112.5,97.3) v1(112.5,86.2) v1(112.5,71.3) v1(112.6,66.3) v1(112.7,106.8) v1(112.7,93.4) v1(112.7,69.1) v1(112.8,102.4) v1(112.8,79.8) v1(112.9,73.6) v1(113,83.7)
Board_6-INTn_H: length 28.1
  Top w0.254: U5#10.3 105.73,77 v1(105.1,77) R22#3.2
  Bottom w0.254: K2#8.3 89.92,63.82 91.9,65.8 99.3,65.8 102.4,68.9 102.4,74.3 v1(105.1,77)
Board_6-INTn_L: length 13.1
  Top w0.254: R28#11.2 108.27,77 U5#10.4 106.67,76.1 100.4,76.1 99.5,75.2 97.95,75.2 97.75,75
Board_6-LINKLED: length 33.7
  Top w0.254: v1(82.9,102.2) 83.98,102.2 R11#10.2 ; v1(92.9,76.8) 92.25,76.15 92.25,75
  Bottom w0.254: v1(92.9,76.8) 92.9,79.3 81.7,90.5 81.7,101 v1(82.9,102.2)
Board_6-MISO_H: length 19.7
  Top w0.254: v1(107.72,71) U3#3.11
  Bottom w0.254: K2#8.5 95,63.1 96.75,64.85 101.55,64.85 107.7,71 v1(107.72,71)
Board_6-MISO_L: length 10.7
  Top w0.254: v1(100.3,71.5) 100.8,71 U3#3.4 ; v1(100.3,73.2) 100,73.5 97.2,73.5 96.75,73.95 96.75,75
  Bottom w0.254: v1(100.3,71.5) v1(100.3,73.2)
Board_6-MOSI_H: length 18
  Top w0.254: U3#3.12 108.35,71.65 v1(108.3,71.6)
  Bottom w0.254: K2#8.6 97.54,62.94 98.9,64.3 102.1,64.3 108.3,70.5 v1(108.3,71.6)
Board_6-MOSI_L: length 11.4
  Top w0.254: U3#3.3 105.45,71.65 v1(105.5,71.7) ; 97.25,75 97.25,74.15 97.45,73.95 103.15,73.95 v1(103.2,73.9)
  Bottom w0.254: v1(105.5,71.7) 105.4,71.7 v1(103.2,73.9)
Board_6-Net-(C7-Pad2): length 11.5
  Top w0.3: R7#3.1 R9.1 91.83,89.13 92.03,89.33 C7#5.2 92.03,91.87 91.8,92.1 91.8,94.7 93.78,96.68 K1#6.5
Board_6-Net-(C9-Pad2): length 2.9
  Top w0.3: C9#10.2 93.38,89.15 R9.2 R3#3.2
Board_6-Net-(C10-Pad2): length 2.9
  Top w0.3: R4#5.2 R7#3.2 89.03,89.25 C10#10.2
Board_6-Net-(C11-Pad2): length 6.4
  Top w0.3: R10#8.1 v1(99.4,90.8) C11#11.2
  Bottom w0.3: v1(99.4,90.8) 98.98,90.8 K1#6.4
Board_6-Net-(C12-Pad2): length 3
  Top w0.254: 91,78.25 90.05,78.25 88.8,77 C12.2
Board_6-Net-(C13-Pad2): length 3.4
  Top w0.254: C13#4.2 88.7,75.4 89.4,76.1 89.4,76.7 89.95,77.25 U1#10.22
Board_6-Net-(C16-Pad2): length 11.4
  Top w0.254: 94.75,75 94.75,73.33 93.73,72.3 91.8,72.3 90.9,71.4 90.9,69.7 91.43,69.17 C16#5.2 92.13,69.2 X1#2.1
Board_6-Net-(C17-Pad2): length 3.8
  Top w0.254: 98.08,72.6 98.08,70.76 C17#3.2 98.03,70.8 X1#2.3
Board_6-Net-(D1-Pad1): length 1.3
  Top w0.3: D1#4.1 78.55,78.5 R13#7.2
Board_6-Net-(JP1-Pad2): length 1.6
  Top w0.3: JP1#2.2 81.15,79.5 R13#7.1
Board_6-Net-(K1-Pad10): length 9.6
  Top w0.254: R12#4.1 106,104.1 104.4,105.7 100,105.7 99.09,106.62 K1#6.10
Board_6-Net-(K1-Pad11): length 9.5
  Top w0.254: R11#10.1 85.93,105.7 90.2,105.7 90.92,106.42 K1#6.11
Board_6-Net-(R5-Pad2): length 5.8
  Top w0.254: R5#12.2 88.68,84.3 92.95,84.3 93.25,84 93.25,83
Board_6-Net-(R14-Pad2): length 3.5
  Top w0.254: 96.53,72.6 95.48,72.6 95.48,73.63 95.25,73.85 95.25,75
Board_6-OE: length 10.2
  Top w0.254: K2#8.9 105.16,62.96 108.2,66 109.5,66 109.78,66.28 R17#8.2 109.78,69.03 U3#3.8
Board_6-PMODE0: length 8
  Top w0.254: JP2#9.2 106.24,81.19 101.06,81.19 100.13,80.25 99,80.25
Board_6-PMODE1: length 10.7
  Top w0.254: 99,79.75 100.27,79.75 101.25,80.73 108.28,80.73 JP3#10.2
Board_6-PMODE2: length 13.4
  Top w0.254: 99,79.25 100.41,79.25 101.44,80.28 110.33,80.28 JP4#11.2
